# Allegro board 1155001-Timing_board_V3_20241024_1805_pcb.brd (continued)
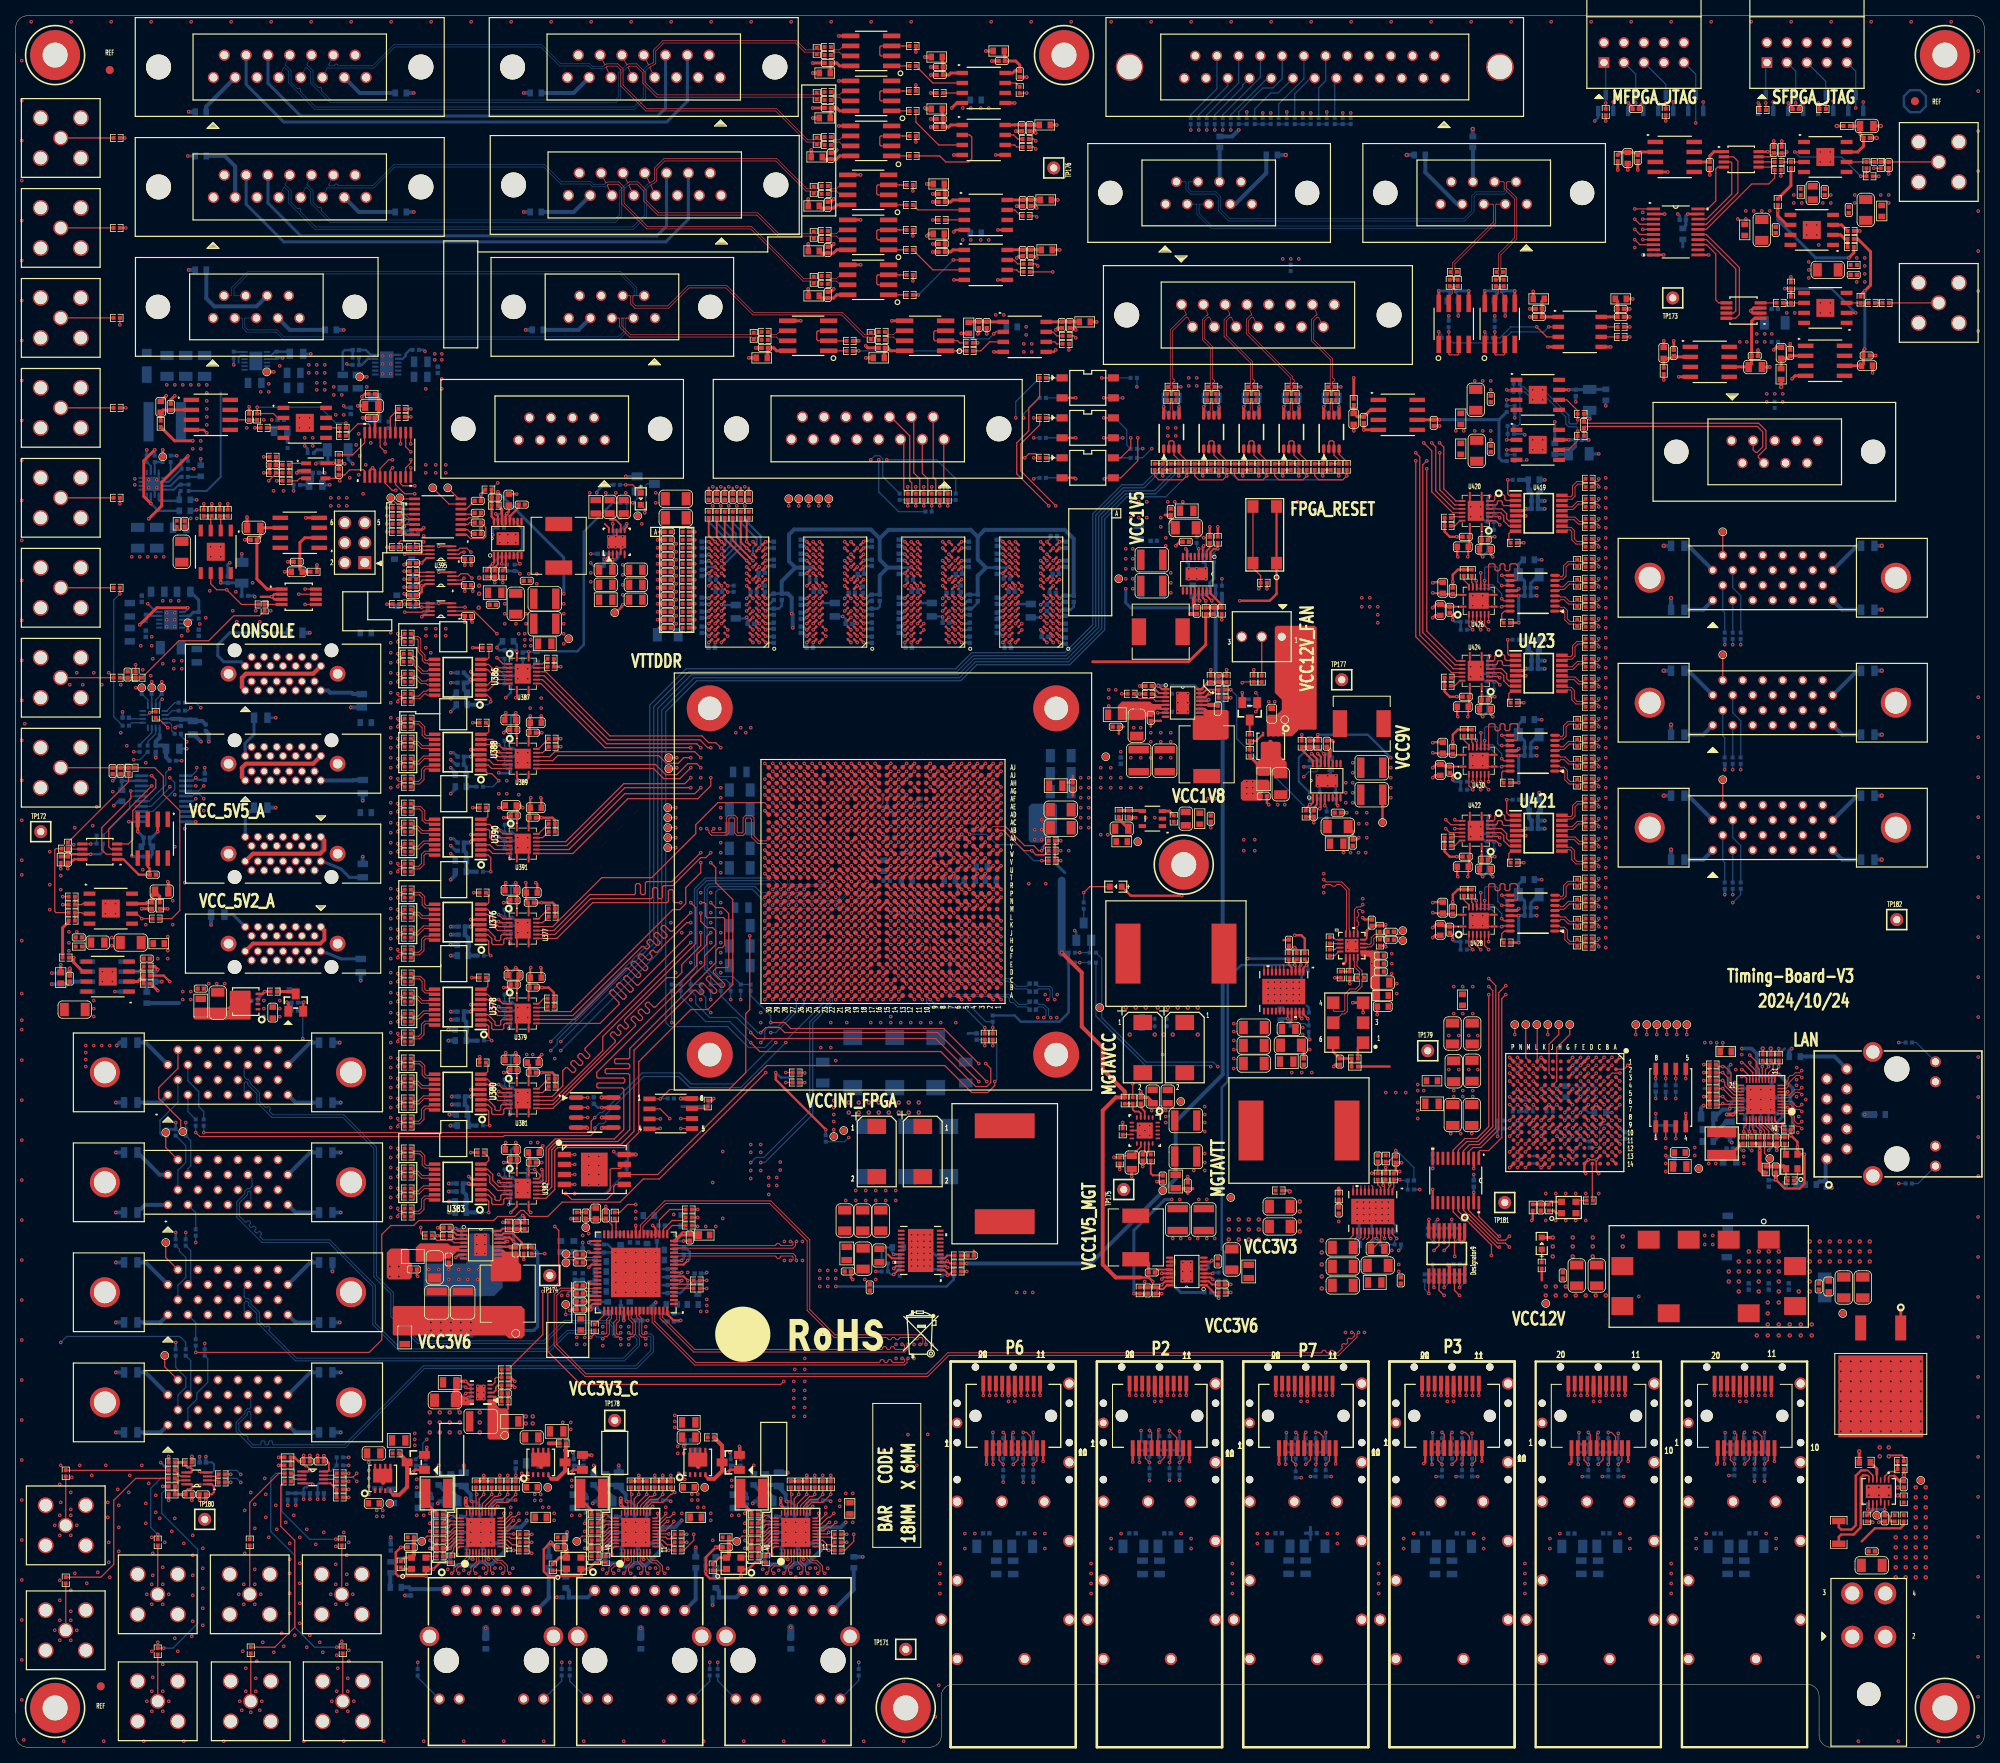
[diagram p0: board, top side]
## Nets (continued)
N23152362: C2623.1(CAP2) C2624.1(CAP2) C2625.1(CAP2) R2505.1 U327.3(AVDD10#3) U327.8(AVDD10#8) U327.38(AVDD10#38)
N23152366: R2501.1 U327.14(MDIO)
N23152374: C2628.1(CAP2) R2506.1 U327.21(DVDD10)
N23152381: L354.2 R2503.2 U327.30(REG_OUT)
N23152387: C2626.1(CAP2) C2627.1(CAP2) L354.1 R2503.1 R2505.2 R2506.2
N23152399: R2507.1 U327.39(RSET)
N23152414: TP165.1 U327.35(CLK_OUT)
N23152417: R2508.2 U327.36(XTAL_IN)
N23152456: C2629.1(CAP2) L355.1 R2518.2 U328.4(VCC)
N23152471: R2518.1 U328.1(OE)
N23152488: R2519.1 U328.3(OUT)
N23154505: C2770.2(CAP1) J106.1 R2563.1
N23154558: J106.10 L370.2
N23154645: J106.11 R2573.2
N23154677: J106.14 R2575.2
N23155480: C2769.2(CAP1) J107.1 R2564.1
N23155533: J107.10 L371.2
N23155620: J107.11 R2574.2
N23155652: J107.14 R2576.2
N23159961: C2642.1(CAP2) L359.2 Q22.5(S1) R2535.1
N23160035: Q22.4(G) Q23.3(DRAIN) R2535.2
N23160087: Q23.1(GATE) R2536.1 R2537.1
N23163138: C2645.1(CAP2) L361.2 Q24.5(S1) R2538.1
N23163212: Q24.4(G) Q25.3(DRAIN) R2538.2
N23163264: Q25.1(GATE) R2539.1 R2540.1
N23170572: R2629.2 U353.2(A1)
N23170609: R2631.2 U353.3(A2)
N23303858: C2639.1(CAP2) L356.2 R2532.1 U329.1(VDD)
N23303910: C2640.1(CAP2) L357.1 R2533.1 TP166.1 U329.5(VOUT)
N23303965: R2532.2 U329.3(CE)
N23303971: R2533.2 R2534.1 U329.4(ADJ)
N23415975: Q21.3(DRAIN) R2541.2
N23419946: J87.4 L400.2
N23443710: J89.4 L401.2
N23444043: J92.7 L406.2
N23444245: J91.7 L414.2
N23467729: J86.7 L407.2
N23468249: J93.7 L415.2
N23474027: C2631.2(CAP1) C2632.1(CAP2) R2529.2
N23475144: C2637.1(CAP2) R2531.2
N23555549: R2772.2 U245.16(OUT3_N)
N23559051: R858.1 U94.3(OUT)
N23559054: C839.1(CAP2) L45.1 R848.2 U94.4(VCC)
N23559055: R848.1 U94.1(OE)
N23559070: C846.1(CAP2) C847.1(CAP2) L245.2 U93.28(DVDDRG)
N23559071: R851.2 R853.1 U93.12(PHYRSTB)
N23559075: C859.1(CAP2) C864.1(CAP2) L246.1 R2046.1 R2047.2 R2048.2
N23559082: C855.1(CAP2) R2048.1 U93.21(DVDD10)
N23559084: C852.1(CAP2) C853.1(CAP2) C854.1(CAP2) R2047.1 U93.3(AVDD10#3) U93.8(AVDD10#8) U93.38(AVDD10#38)
N23559090: C841.1(CAP2) C842.1(CAP2) C851.1(CAP2) L243.2 U93.11(AVDD33#11) U93.40(AVDD33#40)
N23559134: L246.2 R2046.2 U93.30(REG_OUT)
N23559168: R844.2 U93.36(XTAL_IN)
N23559181: C849.1(CAP2) C850.1(CAP2) L244.2 U93.29(DVDD33)
N23559182: R850.2 R852.1 U93.31(INTB/PMEB)
N23559211: TP20.1 U93.35(CLK_OUT)
N23559251: R854.1 U93.13(MDC)
N23559272: R845.1 U93.39(RSET)
N23562546: C838.2(CAP1) J6.1 R833.1
N23562568: J6.10 L242.2
N23562569: J6.14 R835.2
N23562574: J6.11 R834.2
N23566288: C2870.2(CAP1) J109.1 R2785.1
N23566341: J109.10 L429.2
N23566428: J109.11 R2790.2
N23566460: J109.14 R2791.2
N23568615: C2868.1(CAP2) L428.2 Q26.5(S1) R2774.1
N23568689: Q26.4(G) Q27.3(DRAIN) R2774.2
N23568741: Q27.1(GATE) R2775.1 R2776.1
N23571054: C2851.1(CAP2) C2852.1(CAP2) C2853.1(CAP2) L422.2 U374.11(AVDD33#11) U374.40(AVDD33#40)
N23571137: C2854.1(CAP2) C2855.1(CAP2) L423.2 U374.29(DVDD33)
N23571394: R2741.2 R2745.1 U374.31(INTB/PMEB)
N23571396: R2742.2 R2747.1 U374.12(PHYRSTB)
N23571416: C2856.1(CAP2) C2857.1(CAP2) L424.2 U374.28(DVDDRG)
N23571432: R2743.1 U374.13(MDC)
N23571460: C2858.1(CAP2) C2859.1(CAP2) C2860.1(CAP2) R2748.1 U374.3(AVDD10#3) U374.8(AVDD10#8) U374.38(AVDD10#38)
N23571468: R2744.1 U374.14(MDIO)
N23571522: C2863.1(CAP2) R2749.1 U374.21(DVDD10)
N23571536: L425.2 R2746.2 U374.30(REG_OUT)
N23571591: C2861.1(CAP2) C2862.1(CAP2) L425.1 R2746.1 R2748.2 R2749.2
N23571632: R2750.1 U374.39(RSET)
N23571669: TP169.1 U374.35(CLK_OUT)
N23571675: R2751.2 U374.36(XTAL_IN)
N23571891: C2864.1(CAP2) L426.1 R2761.2 U375.4(VCC)
N23572053: R2761.1 U375.1(OE)
N23572119: R2762.1 U375.3(OUT)
N23774745: R2876.2 U376.1(EN_1)
N23774747: R2877.1 U376.15(DOUT1P)
N23774819: R2873.2 U376.8(EN_2)
N23774821: R2878.1 U376.16(DOUT1M)
N23774825: R2874.1 R2884.1 U377.2(1DIR)
N23774827: R2875.1 R2887.1 U377.3(2DIR)
N23774855: R2879.1 U376.14(DOUT2P)
N23774882: R2880.1 U376.13(DOUT2M)
N23774946: R2881.1 U376.11(DOUT3P)
N23774966: R2882.1 U376.12(DOUT3M)
N23775041: R2883.1 U377.15(1O\E\)
N23775087: R2886.1 U377.14(2O\E\)
N23775717: R2905.2 U380.1(EN_1)
N23775743: R2907.2 U380.8(EN_2)
N23776190: R2915.1 R2918.1 U381.2(1DIR)
N23776192: R2916.1 R2920.1 U381.3(2DIR)
N23776318: R2917.1 U381.15(1O\E\)
N23776347: R2919.1 U381.14(2O\E\)
N23776905: R2925.2 U383.1(EN_1)
N23776910: R2924.2 U383.8(EN_2)
N23776913: R2921.1 R2923.1 U382.2(1DIR)
N23776914: R2922.1 R2926.1 U382.3(2DIR)
N23776943: R2927.1 U382.15(1O\E\)
N23776952: R2929.1 U382.14(2O\E\)
N23781685: R2955.2 U386.1(EN_1)
N23781690: R2954.2 U386.8(EN_2)
N23781693: R2958.1 R2963.1 U387.2(1DIR)
N23781694: R2953.1 R2966.1 U387.3(2DIR)
N23781723: R2967.1 U387.15(1O\E\)
N23781732: R2965.1 U387.14(2O\E\)
N23781751: R2969.2 U388.1(EN_1)
N23781756: R2971.2 U388.8(EN_2)
N23781795: R2977.1 R2983.1 U389.2(1DIR)
N23781796: R2978.1 R2984.1 U389.3(2DIR)
N23781813: R2982.1 U389.15(1O\E\)
N23781823: R2981.1 U389.14(2O\E\)
N23781828: R2987.2 U390.1(EN_1)
N23781833: R2986.2 U390.8(EN_2)
N23781901: R2995.1 R3000.1 U391.2(1DIR)
N23781902: R2996.1 R2999.1 U391.3(2DIR)
N23781927: R2998.1 U391.15(1O\E\)
N23781934: R2997.1 U391.14(2O\E\)
N23784228: R2956.1 U386.15(DOUT1P)
N23784248: R2957.1 U386.16(DOUT1M)
N23784268: R2959.1 U386.14(DOUT2P)
N23784288: R2960.1 U386.13(DOUT2M)
N23784308: R2961.1 U386.11(DOUT3P)
N23784328: R2962.1 U386.12(DOUT3M)
N23784348: R2964.1 U386.10(DOUT4P)
N23784368: R2968.1 U386.9(DOUT4M)
N23785830: R2970.1 U388.15(DOUT1P)
N23785850: R2972.1 U388.16(DOUT1M)
N23785870: R2973.1 U388.14(DOUT2P)
N23785890: R2974.1 U388.13(DOUT2M)
N23785910: R2975.1 U388.11(DOUT3P)
N23785930: R2976.1 U388.12(DOUT3M)
N23785950: R2979.1 U388.10(DOUT4P)
N23785970: R2980.1 U388.9(DOUT4M)
N23786150: R2985.1 U390.15(DOUT1P)
N23786170: R2988.1 U390.16(DOUT1M)
N23786190: R2989.1 U390.14(DOUT2P)
N23786210: R2990.1 U390.13(DOUT2M)
N23786230: R2991.1 U390.11(DOUT3P)
N23786250: R2992.1 U390.12(DOUT3M)
N23786270: R2993.1 U390.10(DOUT4P)
N23786290: R2994.1 U390.9(DOUT4M)
N23999473: R2890.1 U376.10(DOUT4P)
N23999493: R2892.1 U376.9(DOUT4M)
N24000382: R2911.1 U380.15(DOUT1P)
N24000402: R2912.1 U380.16(DOUT1M)
N24000422: R2913.1 U380.14(DOUT2P)
N24000442: R2914.1 U380.13(DOUT2M)
N24000792: R2928.1 U380.11(DOUT3P)
N24000812: R2930.1 U380.12(DOUT3M)
N24000832: R2933.1 U380.10(DOUT4P)
N24000852: R2934.1 U380.9(DOUT4M)
N24000994: R2935.1 U383.15(DOUT1P)
N24001014: R2936.1 U383.16(DOUT1M)
N24001309: R2939.1 U383.14(DOUT2P)
N24001329: R2941.1 U383.13(DOUT2M)
N24001349: R2947.1 U383.11(DOUT3P)
N24001369: R2948.1 U383.12(DOUT3M)
N24001389: R2951.1 U383.10(DOUT4P)
N24001409: R2952.1 U383.9(DOUT4M)
N24069995: C2111.1(CAP2) L264.1 TP86.1 U239.10(OUTS) U239.11(OUT) U239.12(OUT_1)
N24070041: R1894.1 U239.6(ILIM)
N24347278: R3023.2 R3024.2 U318.5(C\L\R\)
N24830320: C2950.1(CAP2) L448.2 L449.2 U396.8(VCCB)
N24830398: R3031.2 R3032.2 U396.5(DIR)
N24830787: C2948.1(CAP2) L446.2 U395.8(VCCB)
N24830879: R3029.2 U395.5(DIR)
N24945522: C2969.2(CAP1) L459.1 U402.8(VCC)
N24945564: R3055.1 U402.2(R\E\) U402.3(DE)
N24945602: R3056.1 U402.7(B/Z)
N24945608: R3057.1 U402.6(A/Y)
N24945685: R3059.2 U402.1(RO)
N24946708: C2970.2(CAP1) C2971.1(CAP2) L460.1 U403.1(VDD1)
N24947715: R3060.2 U403.7(VOA)
N24947747: C2972.2(CAP1) C2973.1(CAP2) L461.2 U403.8(VDD2)
N24948557: C2974.2(CAP1) L462.1 U404.8(VCC)
N24948585: R3061.1 U404.2(R\E\) U404.3(DE)
N24948629: R3062.1 U404.7(B/Z)
N24948635: R3063.1 U404.6(A/Y)
N24948700: R3065.2 U404.1(RO)
N24949994: R3066.2 U403.6(VOB)
N24950313: C2975.2(CAP1) L463.1 U405.8(VCC)
N24950341: R3067.1 U405.2(R\E\) U405.3(DE)
N24950385: R3068.1 U405.7(B/Z)
N24950391: R3069.1 U405.6(A/Y)
N24950456: R3071.2 U405.1(RO)
N24951641: C2976.2(CAP1) L464.1 U406.8(VCC)
N24951666: R3072.1 U406.2(R\E\) U406.3(DE)
N24951710: R3073.1 U406.7(B/Z)
N24951716: R3074.1 U406.6(A/Y)
N24951769: R3076.2 U406.1(RO)
N24952037: C2977.2(CAP1) L465.1 U407.8(VCC)
N24952076: R3077.1 U407.2(R\E\) U407.3(DE)
N24952108: R3078.1 U407.7(B/Z)
N24952118: R3079.1 U407.6(A/Y)
N24952169: R3081.2 U407.1(RO)
N24954635: C2978.2(CAP1) C2979.1(CAP2) L466.1 U408.1(VDD1)
N24954677: R3082.2 U408.7(VOA)
N24954693: C2980.2(CAP1) C2981.1(CAP2) L467.2 U408.8(VDD2)
N24954777: R3083.2 U408.6(VOB)
N24955324: C2982.2(CAP1) C2983.1(CAP2) L468.1 U409.1(VDD1)
N24955375: R3084.2 U409.7(VOA)
N24955394: C2984.2(CAP1) C2985.1(CAP2) L469.2 U409.8(VDD2)
N24958005: C2986.2(CAP1) L470.1 U410.8(VCC)
N24958030: R3085.1 U410.2(R\E\) U410.3(DE)
N24958074: R3086.1 U410.7(B/Z)
N24958080: R3087.1 U410.6(A/Y)
N24958133: R3089.2 U410.1(RO)
N24958168: C2987.2(CAP1) L471.1 U411.8(VCC)
N24958193: R3090.1 U411.2(R\E\) U411.3(DE)
N24958225: R3091.1 U411.7(B/Z)
N24958243: R3092.1 U411.6(A/Y)
N24958284: R3094.2 U411.1(RO)
N24958325: C2988.2(CAP1) L472.1 U412.8(VCC)
N24958352: R3095.1 U412.2(R\E\) U412.3(DE)
N24958384: R3096.1 U412.7(B/Z)
N24958406: R3097.1 U412.6(A/Y)
N24958445: R3099.2 U412.1(RO)
N24959793: C2989.2(CAP1) C2990.1(CAP2) L473.1 U413.1(VDD1)
N24959833: R3100.2 U413.7(VOA)
N24959849: C2991.2(CAP1) C2992.1(CAP2) L474.2 U413.8(VDD2)
N24959921: R3101.2 U413.6(VOB)
N24959959: C2993.2(CAP1) C2994.1(CAP2) L475.1 U414.1(VDD1)
N24960011: R3102.2 U414.7(VOA)
N24960025: C2995.2(CAP1) C2996.1(CAP2) L476.2 U414.8(VDD2)
N24960672: R3103.1 U414.3(VIB)
N24960986: R3104.1 U409.3(VIB)
N24962620: R3106.1 U395.7(B1)
N24989224: R3108.1 R3109.1 U415.3(+IN)
N24992417: C2997.1(CAP2) C2998.2(CAP1) L477.2 U415.4(V-) U415.9(EPAD)
N24992809: C2929.2(CAP1) R2345.2 R3141.1 R3149.1
N24992839: J96.1(SIG) R2345.1
N24995720: J63.1(SIG) R1908.1
N24996237: J105.1(SIG) R3025.1
N24998357: R3110.2 R3111.2 U415.2(-IN)
N24998930: C2999.1(CAP2) C3000.2(CAP1) L478.2 U415.7(V+)
N24999870: J95.1(SIG) R2344.1
N25002912: R2368.2 R3112.1
N25002968: R3112.2 R3113.1 U305.3(+IN)
N25003082: R3114.1 R3115.2 U305.2(-IN)
N25003135: R3114.2 R3117.2 U305.6(OUT)
N25004464: C2557.2(CAP1) C2558.1(CAP2) L322.2 U305.7(V+)
N25007589: C3001.2(CAP1) C3002.1(CAP2) L479.2 U305.4(V-) U305.9(EPAD)
N25011323: C2930.1(CAP2) C2931.1(CAP2) L287.2 R3150.1 U392.12(PVIN) U392.13(AVIN)
N25011652: R3150.2 R3151.1 U392.6(EN)
N25011715: R3118.1 U392.5(SS)
N25011744: R3119.2 U392.2(SLEW)
N25011968: R3120.1 U392.7(COMP)
N25011973: C3005.2(CAP1) R3120.2
N25013372: R3121.2 R3122.1 U392.3(PWRGD)
N25013383: R3122.2 TP183.1
N25013416: D9.1 L229.2 U392.1(SW)
N25013720: C3007.1(CAP2) R3123.2 U392.9(VREF)
N25014909: R3123.1 R3124.2 U392.8(FB)
N25019086: C2110.1(CAP2) R1895.1 U239.8(SET)
N25024642: R3125.2 R3126.2 U323.4(VIN)
N25029852: C3008.1(CAP2) C3009.2(CAP1) L482.2 U416.2(VIN)
N25031952: C3012.1(CAP2) C3013.2(CAP1) L484.2 U417.4(V-) U417.9(EPAD)
N25031972: C3014.2(CAP1) C3015.1(CAP2) L483.1 U417.7(V+)
N25032467: R3127.1 R3128.2 U417.2(-IN)
N25032584: R3128.1 R3130.1 U417.6(OUT)
N25032783: R3129.1 U417.3(+IN)
N25067068: C2593.2(CAP1) C3017.1(CAP2) L334.2 R3131.2 U321.1(IN) U321.2(IN_2) U321.3(EN/UV) U321.6(PGFB)
N25067815: R3131.1 U321.4(PG)
N25068007: C2591.1(CAP2) R2440.1 U321.7(SET)
N25068174: C3018.2(CAP1) C3019.1(CAP2) L333.1 TP158.1 U321.9(OUTS) U321.10(OUT)
N25591652: R3152.2 U245.14(OUT2_N)
N25591661: R3152.1 U245.13(OUT2_P)
N25591782: R2772.1 U245.15(OUT3_P)
N25594608: J112.1(INNER SHIELD1) R3153.1
N25594612: J112.14(INNER SHIELD2) R3154.1
N25594778: J112.3(CC3+) R3155.1
N25594784: J112.15(CC4+) TP184.1
N25594820: J112.2(CC4-) R3158.1
N25594838: J112.13(INNER SHIELD3) R3157.1
N25594844: J112.26(INNER SHIELD4) R3159.1
N25594869: J112.16(CC3-) R3156.1
N25595480: J113.1(INNER SHIELD1) R3160.1
N25595484: J113.14(INNER SHIELD2) R3161.1
N25595639: J113.3(CC3+) R3162.1
N25595653: J113.15(CC4+) TP185.1
N25595689: J113.2(CC4-) R3164.1
N25595707: J113.13(INNER SHIELD3) R3165.1
N25595713: J113.26(INNER SHIELD4) R3166.1
N25595734: J113.16(CC3-) R3163.1
N25596166: J114.1(INNER SHIELD1) R3167.1
N25596170: J114.14(INNER SHIELD2) R3168.1
N25596333: J114.3(CC3+) R3169.1
N25596347: J114.15(CC4+) TP186.1
N25596375: J114.2(CC4-) R3171.1
N25596393: J114.13(INNER SHIELD3) R3172.1
N25596411: J114.26(INNER SHIELD4) R3173.1
N25596429: J114.16(CC3-) R3170.1
N25598763: P8.9(RS1) R3176.1 R3178.2
N25599058: P8.7(RS0) R3175.1 R3177.2
N25599109: P8.3(TX_DISABLE) R3174.2 R3182.2
N25600897: P9.9(RS1) R3187.1 R3189.2
N25601195: P9.7(RS0) R3186.1 R3188.2
N25601246: P9.3(TX_DISABLE) R3185.2 R3193.2
N25605816: J94.3(CC3+) R2783.1
N25605818: J94.16(CC3-) R2784.1
N25605828: J94.15(CC4+) TP149.1
N25605837: J94.14(INNER SHIELD2) R2328.1
N25605839: J94.1(INNER SHIELD1) R2327.1
N25605907: J94.2(CC4-) R2329.1
N25605925: J94.13(INNER SHIELD3) R2330.1
N25605931: J94.26(INNER SHIELD4) R2331.1
N25607926: R3196.1 U395.6(B2)
N25611612: C2946.1(CAP2) L444.2 L445.2 U394.8(VCCB)
N25611890: R3027.2 R3028.2 U394.5(DIR)
N25617244: J84.2 R1924.2 R2168.2
N25617253: TP160.1 U3.7(T2OUT)
N25617255: TP161.1 U3.8(R2IN)
N25617271: TP163.1 U3.9(R2OUT)
N25617273: TP162.1 U3.10(T2IN)
N25617307: R1922.2 U3.11(T1IN)
N25617309: R1923.2 U3.12(R1OUT)
N25617355: C2251.2(CAP1) U3.3(C1-)
N25617371: C2251.1(CAP2) U3.1(C1+)
N25617389: C2252.2(CAP1) U3.4(C2+)
N25617405: C2252.1(CAP2) U3.5(C2-)
N25617445: C2253.1(CAP2) U3.2(V+)
N25617449: C2254.1(CAP2) U3.6(V-)
N25617566: J84.3 R1925.2 R2169.2
N25620997: R2893.1 U378.15(DOUT1P)
N25621017: R2894.1 U378.16(DOUT1M)
N25621053: R2895.1 U378.14(DOUT2P)
N25621069: R2896.1 U378.13(DOUT2M)
N25621077: R2899.1 U378.11(DOUT3P)
N25621097: R2900.1 U378.12(DOUT3M)
N25621136: R2909.1 U378.10(DOUT4P)
N25621152: R2910.1 U378.9(DOUT4M)
N25621214: R2889.2 U378.1(EN_1)
N25621232: R2891.2 U378.8(EN_2)
N25621328: R2897.1 R2904.1 U379.2(1DIR)
N25621330: R2898.1 R2902.1 U379.3(2DIR)
N25621449: R2903.1 U379.15(1O\E\)
N25621475: R2901.1 U379.14(2O\E\)
N25626459: R3197.1 U419.10(DOUT4P)
N25626475: R3198.1 U419.9(DOUT4M)
N25626609: R3201.2 U419.1(EN_1)
N25626611: R3202.1 U419.15(DOUT1P)
N25626695: R3203.2 U419.8(EN_2)
N25626697: R3204.1 U419.16(DOUT1M)
N25626701: R3199.1 R3210.1 U420.2(1DIR)
N25626703: R3200.1 R3212.1 U420.3(2DIR)
N25626731: R3205.1 U419.14(DOUT2P)
N25626758: R3206.1 U419.13(DOUT2M)
N25626822: R3207.1 U419.11(DOUT3P)
N25626838: R3208.1 U419.12(DOUT3M)
N25626901: R3209.1 U420.15(1O\E\)
N25626927: R3211.1 U420.14(2O\E\)
N25627819: R3213.1 U421.10(DOUT4P)
N25627835: R3214.1 U421.9(DOUT4M)
N25627981: R3217.2 U421.1(EN_1)
N25627983: R3218.1 U421.15(DOUT1P)
N25628067: R3219.2 U421.8(EN_2)
N25628069: R3220.1 U421.16(DOUT1M)
N25628073: R3215.1 R3226.1 U422.2(1DIR)
N25628075: R3216.1 R3228.1 U422.3(2DIR)
N25628103: R3221.1 U421.14(DOUT2P)
N25628126: R3222.1 U421.13(DOUT2M)
N25628171: R3223.1 U421.11(DOUT3P)
N25628210: R3224.1 U421.12(DOUT3M)
N25628273: R3225.1 U422.15(1O\E\)
N25628287: R3227.1 U422.14(2O\E\)
N25630415: R3229.1 U423.10(DOUT4P)
N25630423: R3230.1 U423.9(DOUT4M)
N25630569: R3233.2 U423.1(EN_1)
N25630571: R3234.1 U423.15(DOUT1P)
N25630667: R3235.2 U423.8(EN_2)
N25630669: R3236.1 U423.16(DOUT1M)
N25630673: R3231.1 R3242.1 U424.2(1DIR)
N25630675: R3232.1 R3244.1 U424.3(2DIR)
N25630703: R3237.1 U423.14(DOUT2P)
N25630714: R3238.1 U423.13(DOUT2M)
N25630759: R3239.1 U423.11(DOUT3P)
N25630810: R3240.1 U423.12(DOUT3M)
N25630873: R3241.1 U424.15(1O\E\)
N25630887: R3243.1 U424.14(2O\E\)
N25691932: R3245.2 U425.16(EN)
N25692049: R3246.1 U425.9(E\N\)
N25692204: R3247.1 R3303.2 U425.1(RIN1-)
N25692228: R3247.2 R3304.2 U425.2(RIN1+)
N25692336: R3248.1 R3305.2 U425.3(RIN2+)
N25692356: R3248.2 R3306.2 U425.4(RIN2-)
N25692417: R3249.1 R3307.2 U425.5(RIN3-)
N25692437: R3249.2 R3308.2 U425.6(RIN3+)
N25692498: R3250.1 R3309.2 U425.7(RIN4+)
N25692518: R3250.2 R3310.2 U425.8(RIN4-)
N25693288: R3251.1 U426.15(1O\E\)
N25693314: R3252.1 U426.14(2O\E\)
N25693969: R3253.2 U426.2(1DIR)
N25693972: R3254.2 U426.3(2DIR)
N25695450: R3255.2 U428.2(1DIR)
N25695452: R3256.2 U428.3(2DIR)
N25695592: R3257.2 U427.16(EN)
N25695600: R3258.1 U427.9(E\N\)
N25695607: R3259.1 R3311.2 U427.1(RIN1-)
N25695627: R3259.2 R3312.2 U427.2(RIN1+)
N25695639: R3260.1 R3313.2 U427.3(RIN2+)
N25695659: R3260.2 R3314.2 U427.4(RIN2-)
N25695671: R3261.1 R3316.2 U427.5(RIN3-)
N25695691: R3261.2 R3315.2 U427.6(RIN3+)
N25695703: R3262.1 R3317.2 U427.7(RIN4+)
N25695723: R3262.2 R3318.2 U427.8(RIN4-)
N25695839: R3263.1 U428.15(1O\E\)
N25695865: R3264.1 U428.14(2O\E\)
N25698937: R3265.2 U430.2(1DIR)
N25698939: R3266.2 U430.3(2DIR)
N25699065: R3267.2 U429.16(EN)
N25699095: R3268.1 U429.9(E\N\)
N25699102: R3269.1 R3319.2 U429.1(RIN1-)
N25699110: R3269.2 R3320.2 U429.2(RIN1+)
N25699134: R3270.1 R3321.2 U429.3(RIN2+)
N25699142: R3270.2 R3322.2 U429.4(RIN2-)
N25699166: R3271.1 R3324.2 U429.5(RIN3-)
N25699174: R3271.2 R3323.2 U429.6(RIN3+)
N25699198: R3272.1 R3325.2 U429.7(RIN4+)
N25699206: R3272.2 R3326.2 U429.8(RIN4-)
N25699331: R3273.1 U430.15(1O\E\)
N25699348: R3274.1 U430.14(2O\E\)
N25718866: C2795.1(CAP2) L392.2 L393.2 U350.8(VCCB)
N25719277: R2612.1 U350.2(A1)
N25719281: R2614.1 U350.3(A2)
N25720595: R2611.2 U350.7(B1)
N25720616: R2613.2 U350.6(B2)
N25721210: R2609.2 R2610.2 U350.5(DIR)
N25722622: C2799.1(CAP2) L396.2 L397.2 U352.8(VCCB)
N25722632: R2623.2 U352.7(B1)
N25722634: R2625.2 U352.6(B2)
N25722688: R2621.2 R2622.2 U352.5(DIR)
N25722784: R2624.1 U352.2(A1)
N25722803: R2626.1 U352.3(A2)
N25723724: R2630.1 U353.7(B1)
N25723727: R2632.1 U353.6(B2)
N25724465: R2627.1 R2628.1 U353.5(DIR)
N25725212: C2802.1(CAP2) L398.2 L399.2 R2627.2 U353.1(VCCA)
N25726079: R2617.2 U351.2(A1)
N25726096: R2619.2 U351.3(A2)
N25726148: R2618.1 U351.7(B1)
N25726150: R2620.1 U351.6(B2)
N25726189: R2615.1 R2616.1 U351.5(DIR)
N25726195: C2798.1(CAP2) L394.2 L395.2 R2615.2 U351.1(VCCA)
N25729317: J116.1(SIG) R3275.1
N25729320: J117.1(SIG) R3276.1
N25729323: J118.1(SIG) R3277.1
N25729326: J119.1(SIG) R3278.1
N25729329: J120.1(SIG) R3279.1
N25729332: J121.1(SIG) R3280.1
N25729335: J122.1(SIG) R3281.1
N25729338: J123.1(SIG) R3282.1
N25752085: C3081.2(CAP1) C3082.1(CAP2) L496.2 U433.2(VIN)
N25754328: C3084.2(CAP1) L497.1 R3283.1 U434.7(VDD)
N25755131: C3087.2(CAP1) C3088.1(CAP2) L499.2 U436.4(V-) U436.9(EPAD)
N25755364: C3089.1(CAP2) C3090.2(CAP1) L500.1 U436.7(V+)
N25755601: R3284.2 R3285.1 U436.3(+IN)
N25755995: R3286.1 R3287.2 U436.2(-IN)
N25756061: R3287.1 R3288.1 U436.6(OUT)
N25756866: C3086.1(CAP2) L498.1 U435.19(VCCB)
N25838809: C3093.1(CAP2) L502.2 Q28.5(S1) R3329.1
N25839313: Q29.1(GATE) R3327.1 R3328.1
N25839544: Q28.4(G) R3329.2 R3330.1
N25839585: Q29.3(DRAIN) R3330.2
N25840230: C3091.2(CAP1) C3095.1(CAP2) L485.1 U437.8(VCC)
N25840300: R3291.1 U437.7(B)
N25840302: R3292.1 U437.6(A)
N25840368: R3331.2 R3339.2 U437.1(R)
N25840384: R3338.1 R3352.2 U437.2(R\E\) U437.3(DE)
N25844783: C3102.2(CAP1) C3103.1(CAP2) L506.2 U440.4(V-) U440.9(EPAD)
N25844958: C3104.2(CAP1) C3105.1(CAP2) L505.1 U440.7(V+)
N25845066: R3341.1 R3342.2 U440.2(-IN)
N25845093: R3340.1 R3342.1 U440.6(OUT)
N25845106: R3343.1 U440.3(+IN)
N25845772: C3098.1(CAP2) C3099.2(CAP1) L507.2 U439.2(VIN)
N25850428: R3344.2 R3347.2 U441.2(-IN)
N25850457: R3345.2 R3348.2
N25850490: R3345.1 R3346.1 U441.3(+IN)
N25850494: C3106.1(CAP2) C3107.2(CAP1) L508.2 U441.4(V-) U441.9(EPAD)
N25850496: C3108.1(CAP2) C3109.2(CAP1) L509.1 U441.7(V+)
N25851186: J125.1(SIG) R3348.1
N25851827: C3110.2(CAP1) C3111.1(CAP2) L510.2 U444.2(VIN)
N25853325: R3350.2 U443.4(VIN)
N25856602: J31.1(SIG) R993.1
N25856657: R3351.2 U98.3(I/O1)
N25857583: R3353.2 U437.4(D)
N25857981: C3115.2(CAP1) C3116.1(CAP2) L511.1 U445.8(VCC)
N25858035: R3356.1 U445.7(B)
N25858037: R3357.1 U445.6(A)
N25858077: R3355.2 R3359.2 U445.1(R)
N25858081: R3358.1 R3360.2 U445.2(R\E\) U445.3(DE)
N25858233: R3361.2 U445.4(D)
N25859061: J61.2(P2) R1929.1
N25859891: C3117.2(CAP1) C3118.1(CAP2) L512.1 U446.8(VCC)
N25859953: R3365.1 U446.6(A)
N25859955: R3364.1 U446.7(B)
N25859983: R3363.2 R3367.2 U446.1(R)
N25859999: R3366.1 R3368.2 U446.2(R\E\) U446.3(DE)
N25860137: R3369.2 U446.4(D)
N25861476: C3119.2(CAP1) C3120.1(CAP2) L513.1 U447.8(VCC)
N25861538: R3372.1 U447.6(A)
N25861540: R3373.1 U447.7(B)
N25861556: R3371.2 R3375.2 U447.1(R)
N25861578: R3374.1 R3376.2 U447.2(R\E\) U447.3(DE)
N25861722: R3377.2 U447.4(D)
N25862361: C3121.2(CAP1) C3122.1(CAP2) L514.1 U448.8(VCC)
N25862427: R3381.1 U448.6(A)
N25862429: R3380.1 U448.7(B)
N25862445: R3379.2 R3383.2 U448.1(R)
N25862467: R3382.1 R3384.2 U448.2(R\E\) U448.3(DE)
N25862611: R3385.2 U448.4(D)
N25863636: J127.5 J127.6 J127.8 J127.13 J127.14 L504.2
N25911817: J132.4 L534.2
N25911850: C3149.2(CAP1) L538.1 U458.8(VCC)
N25911878: R3415.1 U458.2(R\E\) U458.3(DE)
N25911922: R3417.1 U458.7(B/Z)
N25911928: R3418.1 U458.6(A/Y)
N25911993: R3416.2 U458.1(RO)
N25912039: C3147.2(CAP1) C3148.1(CAP2) L537.1 U457.1(VDD1)
N25912077: J131.4 L533.2
N25912107: R3413.2 U457.7(VOA)
N25912123: C3145.2(CAP1) C3146.1(CAP2) L536.2 U457.8(VDD2)
N25912231: C3150.2(CAP1) L539.1 U459.8(VCC)
N25912256: R3420.1 U459.2(R\E\) U459.3(DE)
N25912303: R3422.1 U459.7(B/Z)
N25912309: R3423.1 U459.6(A/Y)
N25912362: R3421.2 U459.1(RO)
N25912408: R3414.2 U457.6(VOB)
N25914259: C3139.1(CAP2) C3140.2(CAP1) L528.2 U455.4(V-) U455.9(EPAD)
N25914265: C3141.1(CAP2) C3142.2(CAP1) L529.1 U455.7(V+)
N25914287: R3400.2 R3409.1 R3411.2 U455.6(OUT)
N25914291: R3407.1 R3410.2 U455.3(+IN)
N25915805: R3400.1 R3408.2 U455.2(-IN)
N25916308: C3143.1(CAP2) C3144.2(CAP1) L530.2 U456.4(V-) U456.9(EPAD)
N25916318: C3131.1(CAP2) C3132.2(CAP1) L531.1 U456.7(V+)
N25916350: R3402.1 R3412.1 U456.6(OUT)
N25916728: R3411.1 R3412.2 U456.2(-IN)
N25916968: R3405.1 R3406.2 U456.3(+IN)
N25917107: C3136.1(CAP2) C3137.2(CAP1) L527.2 U454.2(VIN)
N25918428: J130.1 J130.3 J130.6 J130.8 L526.2

Pads without a net: J1 6 7 8; J56 6 7 8; J77 2 3 4 5 6 7 15 16 17 18 19 20; J80 2 3 4 5 6 7 15 16 17 18 19 20; J82 1 2 3 4 5 12 13 14 15 16 17 18 25; J84 1 4 6 7 8 9; J86 1 3 8 9 15; J87 1 5 9; J89 1 5 9; J91 1 3 8 9 15; J92 1 3 8 9 15; J93 1 3 8 9 15; J103 7 8 15; J104 2 3 4 5 6 7 15 16 17 18 19 20; J130 4 5 9; J131 1 5 9; J132 1 5 9; MH2 1; MH3 1; MH4 1; MH5 1; MH6 1; MH7 1; REF 1; REF#2 1; REF#3 1; REF#4 1; REF#5 1; REF#6 1; U75 J1 J9 L1 L9; U76 J1 J9 L1 L9; U77 J1 J9 L1 L9; U78 J1 J9 L1 L9; U88 B14 C14 D12 D13 E11 E12 E13 F2 F4 F11 F13 F14 G4 G14 H1 H2 H3 H4 H12 H14 J1 J2 K3 K4 K12 L12 L13 L14 M10 M13 P5 P11 P13; U98 4 8; U103 2; U105 1 2 3 4 22 23 27 28 29 30 33 34 36 37 42 43 44 45 62 63; U113 5; U117 5; U118 5; U120 5 6 7 10 11; U133 1 4 9 12; U134 1 2 3 4; U239 4 7; U247 A3 A4 A7 A8 AA3 AA4 AC30 AD16 AD28 AE11 AE20 AF3 AF10 AF11 AF12 AG10 AG12 AG13 AG17 AH4 AH10 AH11 AH12 AH29 AH30 AJ11 AJ23 AK11 AK14 B1 B2 B5 B6 E7 E8 J7 J8 L3 L4 L7 L8 M1 M2 M5 M6 M25 N3 N4 N7 N8 P1 P2 P5 P6 R3 R4 R7 R8 R24 R30 T1 T2 T5 T6 U3 U4 U7 U8 V1 V2 V5 V6 W3 W4 W28 Y1 Y2 Y5 Y6; U268 1 3 5 7 8; U269 1 5 8; U305 1 5 8; U317 1 3 5 7 8; U322 1 3 5 7 8; U323 6; U324 9 12; U402 4; U404 4; U405 4; U406 4; U407 4; U409 6; U410 4; U411 4; U412 4; U414 6; U415 1 5 8; U416 1 3 5 7 8; U417 1 5 8; U431 7 8 9 12 13 14; U433 1 3 5 7 8; U435 9 12; U436 1 5 8; U439 1 3 5 7 8; U440 1 5 8; U441 1 5 8; U443 6; U444 1 3 5 7 8; U454 1 3 5 7 8; U455 1 5 8; U456 1 5 8; U458 4; U459 4

## Via types
v1: diameter 0.457, hole 0.203, TOP to BOTTOM, 4737 vias
v2: diameter 0.559, hole 0.254, TOP to BOTTOM, 310 vias

## Routing (per net, layer and track width the routed paths; a pad name or vN(x,y) marks a point on that pad's centre or on a via; arc(x,y) is an arc through that point)
GND: length 1261.2
  TOP w0.157: v1(199.72,74.64) 200.72,74.64 v1(200.72,74.65) 200.72,73.22 200.79,73.14
  TOP w0.229: U382.8 63.64,68.72 v1(62.87,67.94) ; U426.9 186.42,146.42 v1(186.31,146.3) ; v1(186.31,105.66) 186.43,105.78 U428.9 ; U426.8 186.42,144.92 v1(186.31,145.03) ; U381.8 63.64,81.8 v1(63.75,81.92) ; v1(77.09,152.53) 76.83,152.26 U23.4 ; v1(65.02,133.35) 65.02,133.6 65.14,133.72 U387.9 ; v1(64.77,122.81) 65.14,123.18 U389.9 ; U379.8 63.64,92.59 v1(63.75,92.71) ; v1(184.78,157.61) 184.67,157.72 U420.9 ; v1(65.02,114.3) 65.14,114.18 U391.9 ; U120.8 v1(143.38,78.36) ; v1(186.06,157.61) 186.17,157.72 U420.8 ; U430.8 186.43,124.6 v1(186.31,124.71) ; v1(63.75,114.3) 63.64,114.18 U391.8 ; v1(63.75,103.5) 63.64,103.39 U377.8 ; v1(64.01,122.81) 63.64,123.18 U389.8 ; U23.8 76.33,153.92 v1(76.2,153.8) ; U424.8 186.17,137.4 v1(186.06,137.29) ; v1(37.72,33.4) 37.58,33.54 U353.4 ; U422.9 184.67,117.08 v1(184.78,116.97) ; U381.9 65.14,81.8 v1(65.02,81.92) ; U422.8 186.17,117.08 v1(186.06,116.97) ; v1(65.41,67.94) 65.14,68.21 U382.9 ; U428.8 186.43,104.28 v1(186.31,104.39) ; U387.8 63.64,133.49 v1(63.5,133.35) ; U377.9 65.14,103.39 v1(65.02,103.5) ; U379.9 65.14,92.59 v1(65.02,92.71) ; U430.9 186.43,126.1 v1(186.31,125.98) ; U424.9 184.67,137.4 v1(184.78,137.29)
  TOP w0.254: U247.AE22 v1(104.14,120) ; U247.AK17 v1(108.14,125) ; U75.G1 v1(120.12,145.17) ; R1111.1 v1(140.59,79.38) ; U247.AA14 v1(112.14,116) ; U247.AG16 v1(109.14,122) ; U247.AD15 v1(111.14,119) ; U75.P1 v1(119.32,150.77) ; U75.E1 v1(120.12,143.57) ; U247.AK7 v1(119.14,125) ; U75.T1 v1(120.12,153.17) ; U247.AJ10 v1(116.14,123) ; U75.M9 v1(112.92,149.17) ; U245.1 168.92,99.83 v1(168.66,99.57) ; U247.AE12 v1(114.14,120) ; U247.AG6 v1(120.14,122) ; U75.B9 v1(112.92,141.17) ; U76.T1 v1(132.57,153.17) ; U75.J8 v1(113.72,147.57) ; U75.J2 v1(119.32,147.57) ; v1(53.72,149.29) U395.4 ; U247.AH3 v1(123.14,123) ; U75.D8 v1(113.72,142.77) ; U247.AE2 v1(124.14,120) ; v1(23.34,35.05) 23.48,34.91 U352.4 ; U247.AD5 v1(121.14,119) ; U247.AF19 v1(106.14,121) ; U247.AF9 v1(117.14,121) ; U75.B1 v1(120.12,141.17) ; U75.A9 v1(112.92,140.37) ; U76.J2 v1(131.77,147.57) ; U75.D1 v1(120.12,142.77) ; U247.AH13 v1(113.14,123) ; U247.AB11 v1(115.14,117) ; v1(53.72,152.59) U394.4 ; U76.M1 v1(132.57,149.97) ; U75.G8 v1(113.72,145.17) ; U396.4 v1(53.72,145.35) ; U75.T9 v1(112.92,153.17) ; U75.B3 v1(118.52,141.17) ; U247.AJ20 v1(105.14,124) ; U75.E8 v1(113.72,143.57) ; U76.P1 v1(131.77,150.77) ; U75.P9 v1(112.92,151.57) ; U75.E2 v1(119.32,143.57) ; U247.AC8 v1(118.14,118)